# KiCad board helios-panel.kicad_pcb (continued)
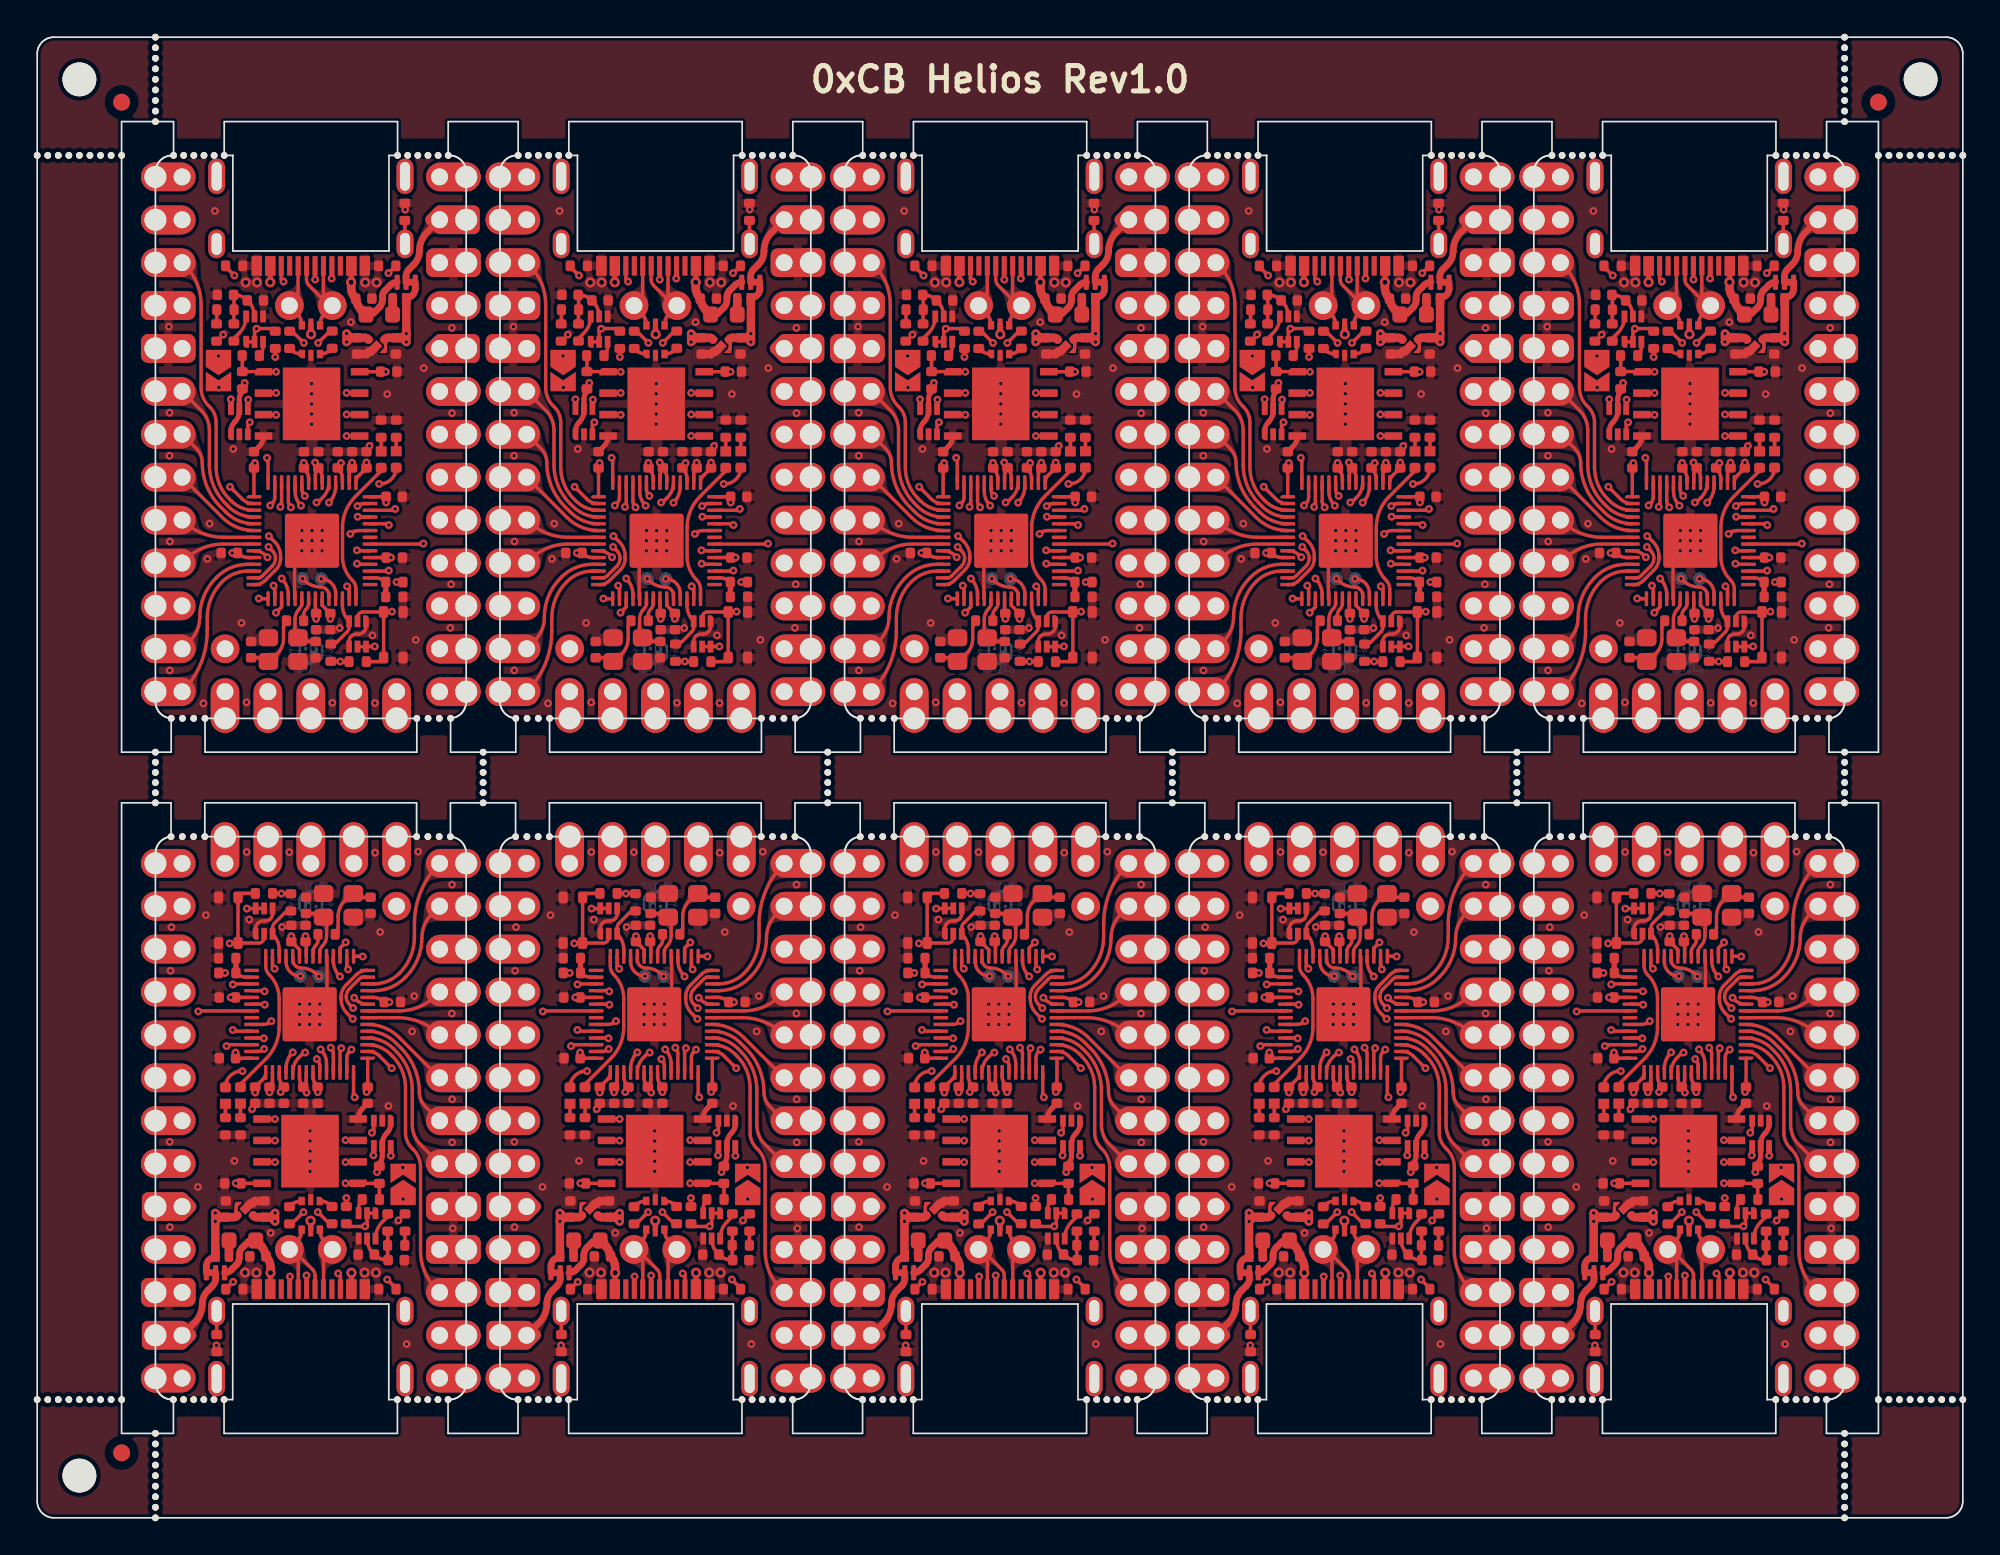
[diagram p0: board, top side]
## Copper pours and planes (outline as drawn; the poured copper is in the pictures) (continued)
Board_4-/2_SDA1 on Top: 91.83,64.85 91.75,65.14 91.66,65.39 91.57,65.59 91.49,65.77 91.41,65.93 91.32,66.09 91.24,66.25 91.16,66.44 91.08,66.65 91,66.91 89.88,66.99 89.9,65.89 90.15,65.81 90.39,65.75 90.61,65.71 90.81,65.66 90.99,65.6 91.16,65.52 91.31,65.41 91.44,65.26 91.55,65.06 91.64,64.8
Board_4-/3_SCL1 on Top: 91.47,62.57 91.44,62.8 91.4,63 91.35,63.16 91.3,63.3 91.24,63.43 91.19,63.56 91.14,63.7 91.09,63.84 91.05,64.02 91.03,64.23 89.88,64.45 89.9,63.35 90.1,63.29 90.29,63.25 90.48,63.22 90.65,63.19 90.81,63.16 90.95,63.1 91.07,63.03 91.16,62.91 91.23,62.76 91.27,62.55
Board_4-/4 on Top: 91.45,60.49 91.31,60.64 91.22,60.77 91.16,60.9 91.12,61.03 91.1,61.15 91.09,61.28 91.08,61.41 91.06,61.56 91.03,61.71 90.98,61.89 89.88,61.91 89.9,60.81 90.08,60.76 90.23,60.73 90.38,60.71 90.51,60.7 90.64,60.69 90.76,60.67 90.89,60.63 91.02,60.57 91.15,60.48 91.3,60.34
Board_4-/5 on Top: 91.65,58.3 91.48,58.36 91.36,58.44 91.26,58.53 91.2,58.63 91.15,58.74 91.12,58.87 91.09,59 91.06,59.14 91.01,59.29 90.94,59.44 89.85,59.33 90,58.24 90.19,58.21 90.36,58.19 90.51,58.19 90.64,58.2 90.77,58.2 90.9,58.21 91.04,58.21 91.2,58.2 91.38,58.16 91.59,58.11
Board_4-/6 on Top: 91.54,57.57 91.33,57.51 91.15,57.47 91,57.44 90.86,57.43 90.73,57.43 90.6,57.43 90.47,57.43 90.33,57.42 90.16,57.4 89.97,57.35 89.85,56.26 90.95,56.18 91.02,56.34 91.06,56.5 91.08,56.64 91.11,56.78 91.13,56.91 91.17,57.02 91.23,57.13 91.31,57.23 91.44,57.31 91.6,57.38
Board_4-/7 on In2.Cu: 91.82,54.36 91.64,54.31 91.48,54.29 91.35,54.31 91.23,54.35 91.12,54.4 91.01,54.47 90.9,54.55 90.78,54.63 90.65,54.71 90.49,54.78 89.76,53.96 90.61,53.26 90.77,53.36 90.9,53.46 91.01,53.56 91.1,53.66 91.19,53.75 91.29,53.84 91.39,53.93 91.52,54.01 91.68,54.09 91.88,54.17
Board_4-/8 on Top: 91.06,52.84 91,52.67 90.93,52.55 90.83,52.47 90.73,52.41 90.61,52.38 90.47,52.36 90.33,52.34 90.18,52.32 90.02,52.29 89.86,52.24 89.9,51.13 91,51.24 91.05,51.42 91.08,51.58 91.1,51.73 91.11,51.86 91.13,52.11 91.15,52.25 91.17,52.4 91.21,52.58 91.26,52.79
Board_4-/9 on Top: 91.07,50.33 90.98,50.17 90.88,50.05 90.78,49.96 90.67,49.91 90.55,49.87 90.43,49.84 90.29,49.82 90.15,49.79 90,49.75 89.83,49.69 89.91,48.59 91,48.7 91.04,48.89 91.06,49.05 91.07,49.2 91.07,49.33 91.06,49.46 91.07,49.59 91.08,49.73 91.11,49.88 91.17,50.05 91.25,50.25
Board_4-/10 on In2.Cu: 91.21,78.02 91.13,78.22 91.09,78.4 91.06,78.55 91.05,78.69 91.06,78.82 91.06,78.95 91.07,79.09 91.06,79.23 91.04,79.4 91.01,79.59 89.91,79.72 89.82,78.62 89.98,78.55 90.13,78.51 90.28,78.48 90.41,78.45 90.53,78.42 90.65,78.38 90.75,78.32 90.85,78.23 90.94,78.11 91.02,77.94
Board_4-/11 on In1.Cu: 104.59,77.94 104.67,78.11 104.75,78.23 104.85,78.32 104.96,78.38 105.07,78.42 105.19,78.45 105.33,78.48 105.47,78.51 105.62,78.56 105.78,78.62 105.69,79.72 104.59,79.59 104.56,79.4 104.54,79.23 104.54,79.08 104.54,78.95 104.55,78.82 104.55,78.69 104.54,78.55 104.52,78.4 104.47,78.22 104.4,78.02
Board_4-/12 on In1.Cu: 93.67,50.3 93.57,50.14 93.46,50.03 93.35,49.95 93.23,49.89 93.11,49.86 92.99,49.84 92.86,49.82 92.71,49.79 92.56,49.75 92.39,49.69 92.44,48.59 93.54,48.68 93.58,48.87 93.6,49.03 93.61,49.17 93.61,49.44 93.62,49.57 93.64,49.7 93.68,49.85 93.75,50.01 93.85,50.2
Board_4-/13 on In1.Cu: 95.16,50.6 95.15,50.4 95.12,50.24 95.07,50.1 95.01,49.99 94.93,49.88 94.85,49.79 94.76,49.69 94.67,49.57 94.58,49.44 94.5,49.28 95.26,48.48 96.03,49.28 95.94,49.44 95.85,49.57 95.76,49.69 95.67,49.79 95.59,49.88 95.51,49.99 95.45,50.1 95.4,50.24 95.37,50.4 95.36,50.6
Board_4-/14 on In1.Cu: 96.63,50.16 96.73,49.98 96.8,49.82 96.85,49.68 96.87,49.54 96.89,49.42 96.9,49.15 96.91,49.01 96.94,48.85 96.99,48.67 98.09,48.6 98.11,49.7 97.94,49.76 97.79,49.79 97.64,49.81 97.5,49.83 97.38,49.85 97.26,49.88 97.14,49.92 97.02,50 96.91,50.11 96.8,50.27
Board_4-/15 on In1.Cu: 99.07,50.03 99.21,49.88 99.3,49.75 99.36,49.62 99.4,49.49 99.42,49.37 99.43,49.24 99.44,49.11 99.46,48.96 99.49,48.81 99.54,48.63 100.64,48.61 100.62,49.71 100.44,49.76 100.29,49.79 100.14,49.81 100.01,49.82 99.88,49.83 99.76,49.85 99.63,49.89 99.5,49.95 99.37,50.04 99.22,50.18
Board_4-/16 on In1.Cu: 101.63,50.08 101.75,49.92 101.84,49.77 101.89,49.63 101.93,49.5 101.95,49.37 101.96,49.25 101.97,49.11 101.99,48.97 102.02,48.81 102.08,48.63 103.18,48.61 103.16,49.71 102.98,49.76 102.83,49.79 102.68,49.81 102.54,49.82 102.41,49.83 102.29,49.85 102.17,49.89 102.05,49.96 101.92,50.06 101.79,50.21
Board_4-/20_SDI on In1.Cu: 104.15,55.11 104.29,54.96 104.38,54.83 104.44,54.7 104.48,54.57 104.5,54.45 104.51,54.32 104.52,54.19 104.54,54.04 104.57,53.89 104.62,53.71 105.72,53.69 105.7,54.79 105.52,54.84 105.37,54.87 105.22,54.89 105.09,54.9 104.96,54.91 104.84,54.93 104.71,54.97 104.58,55.03 104.45,55.12 104.3,55.26
Board_4-/21_CS on In1.Cu: 104.15,50.03 104.29,49.88 104.38,49.75 104.44,49.62 104.48,49.49 104.5,49.37 104.51,49.24 104.52,49.11 104.54,48.96 104.57,48.81 104.62,48.63 105.72,48.61 105.7,49.71 105.52,49.76 105.37,49.79 105.22,49.81 105.09,49.82 104.96,49.83 104.84,49.85 104.71,49.89 104.58,49.95 104.45,50.04 104.3,50.18
Board_4-/22_SCK on In1.Cu: 103.91,57.19 104.08,57.15 104.21,57.09 104.31,57.01 104.38,56.92 104.43,56.81 104.47,56.69 104.51,56.56 104.55,56.43 104.6,56.28 104.67,56.13 105.76,56.28 105.55,57.37 105.36,57.39 105.19,57.4 105.05,57.4 104.91,57.39 104.65,57.36 104.51,57.35 104.35,57.35 104.17,57.36 103.95,57.39
Board_4-/23_SDO on In2.Cu: 104.4,52.82 104.46,52.61 104.5,52.44 104.52,52.28 104.52,52.14 104.53,52.01 104.52,51.88 104.53,51.75 104.53,51.6 104.55,51.44 104.59,51.25 105.69,51.12 105.78,52.22 105.61,52.28 105.46,52.33 105.32,52.35 105.18,52.38 105.05,52.41 104.94,52.44 104.83,52.5 104.74,52.59 104.66,52.72 104.59,52.88
Board_4-/A0 on In1.Cu: 103.77,58.67 103.99,58.66 104.18,58.63 104.33,58.59 104.47,58.54 104.59,58.48 104.71,58.41 104.83,58.35 104.98,58.3 105.14,58.25 105.34,58.22 105.82,59.22 104.81,59.66 104.7,59.54 104.61,59.42 104.46,59.2 104.38,59.11 104.3,59.03 104.2,58.97 104.09,58.92 103.94,58.89 103.77,58.88
Board_4-/A1 on In1.Cu: 104.3,60.34 104.45,60.48 104.58,60.57 104.71,60.63 104.84,60.67 104.96,60.69 105.09,60.7 105.22,60.71 105.37,60.73 105.52,60.76 105.7,60.81 105.72,61.91 104.62,61.89 104.57,61.71 104.54,61.56 104.52,61.41 104.51,61.28 104.5,61.15 104.48,61.03 104.44,60.9 104.38,60.77 104.29,60.64 104.15,60.49
Board_4-/A2 on In1.Cu: 104.3,62.88 104.45,63.02 104.58,63.11 104.71,63.17 104.84,63.21 104.96,63.23 105.09,63.24 105.22,63.25 105.37,63.27 105.52,63.3 105.7,63.35 105.72,64.45 104.62,64.43 104.57,64.25 104.54,64.1 104.52,63.95 104.51,63.82 104.5,63.69 104.48,63.57 104.44,63.44 104.38,63.31 104.29,63.18 104.15,63.03
Board_4-/A3 on In1.Cu: 104.3,65.42 104.45,65.56 104.58,65.65 104.71,65.71 104.84,65.75 104.96,65.77 105.09,65.78 105.22,65.79 105.37,65.81 105.52,65.84 105.7,65.89 105.72,66.99 104.62,66.97 104.57,66.79 104.54,66.64 104.52,66.49 104.51,66.36 104.5,66.23 104.48,66.11 104.44,65.98 104.38,65.85 104.29,65.72 104.15,65.57
Board_4-/PORT+ on Top: 97.37,70.6 97.36,70.69 97.34,70.78 97.32,70.86 97.29,70.94 97.25,71.01 97.22,71.06 97.14,71.18 96.27,72.1 96.96,71.04 97.04,70.95 97.07,70.91 97.1,70.86 97.12,70.8 97.15,70.74 97.16,70.67 97.17,70.6
Board_4-/PORT+ on Top: 96.94,73.31 96.93,73.15 96.9,73.03 96.85,72.93 96.79,72.85 96.71,72.79 96.61,72.74 96.51,72.69 96.39,72.64 96.27,72.59 96.14,72.53 96.27,71.43 97.38,71.77 97.37,71.96 97.36,72.12 97.33,72.26 97.3,72.38 97.23,72.63 97.2,72.76 97.17,72.91 97.15,73.09 97.14,73.31
Board_4-/PORT+ on In1.Cu: 97.74,72.96 97.6,72.83 97.46,72.74 97.34,72.68 97.22,72.65 97.1,72.64 96.97,72.64 96.84,72.64 96.7,72.64 96.54,72.63 96.36,72.6 96.19,71.51 97.29,71.38 97.37,71.56 97.42,71.72 97.45,71.86 97.5,72.12 97.53,72.25 97.57,72.38 97.64,72.52 97.74,72.66 97.88,72.82
Board_4-/PORT- on Top: 98.44,73.29 98.44,73.08 98.42,72.91 98.4,72.75 98.37,72.62 98.3,72.38 98.27,72.26 98.24,72.12 98.23,71.96 98.22,71.77 99.33,71.43 99.45,72.53 99.32,72.59 99.08,72.69 98.97,72.74 98.88,72.79 98.8,72.85 98.73,72.93 98.69,73.02 98.66,73.15 98.64,73.29
Board_4-/PORT- on Top: 97.71,72.8 97.85,72.65 97.95,72.5 98.02,72.37 98.07,72.24 98.1,72.11 98.15,71.84 98.18,71.7 98.24,71.54 98.32,71.37 99.41,71.52 99.22,72.61 99.05,72.63 98.89,72.64 98.75,72.63 98.62,72.63 98.49,72.63 98.37,72.64 98.25,72.67 98.13,72.73 98,72.82 97.85,72.94
Board_4-/PORT- on Top: 98.44,70.6 98.45,70.67 98.46,70.74 98.49,70.8 98.51,70.86 98.54,70.91 98.57,70.95 98.65,71.03 99.33,72.11 98.46,71.18 98.38,71.06 98.35,71 98.32,70.94 98.29,70.86 98.27,70.78 98.25,70.69 98.24,70.6
Board_4-/RAW on Top: 104.51,75.47 104.59,75.64 104.67,75.77 104.76,75.87 104.86,75.94 104.96,76 105.08,76.04 105.21,76.07 105.34,76.1 105.49,76.14 105.65,76.19 105.67,77.1 104.76,77.08 104.69,76.9 104.63,76.75 104.58,76.62 104.52,76.5 104.41,76.27 104.35,76.14 104.29,75.99 104.22,75.82 104.14,75.61
Board_4-/RESET on In2.Cu: 104.52,70.35 104.62,70.51 104.72,70.63 104.82,70.72 104.93,70.78 105.05,70.81 105.17,70.84 105.3,70.86 105.45,70.89 105.6,70.93 105.76,70.99 105.7,72.09 104.6,71.98 104.56,71.8 104.54,71.63 104.53,71.49 104.53,71.35 104.53,71.22 104.53,71.09 104.52,70.96 104.49,70.81 104.43,70.64 104.34,70.44
Board_4-/RGB_5V on In2.Cu: 92.98,53.14 92.89,52.95 92.79,52.79 92.7,52.67 92.61,52.56 92.51,52.47 92.42,52.39 92.32,52.29 92.22,52.19 92.11,52.06 92,51.9 92.68,51.03 93.52,51.74 93.46,51.9 93.38,52.04 93.3,52.16 93.23,52.27 93.16,52.38 93.11,52.49 93.08,52.61 93.08,52.74 93.1,52.89 93.17,53.06
Board_4-GND on Top: 103.39,69.38 103.39,68.38 100,68.38 100,69.38
Board_4-GND on Top, Bottom: 86.12,84.87 110.62,84.87 110.62,45.37 86.12,45.37
Board_4-Net-(C8-Pad2) on Top: 95.99,51.59 95.94,51.48 95.88,51.4 95.81,51.34 95.74,51.29 95.66,51.27 95.58,51.25 95.49,51.24 95.39,51.22 95.29,51.21 95.18,51.19 95.1,50.54 95.75,50.51 96.18,51.51
Board_4-Net-(J1-SHIELD) on Top: 103.27,76.41 103.26,76.3 103.25,76.2 103.23,76.12 103.19,76.05 103.16,75.99 103.11,75.93 103.07,75.87 103.02,75.8 102.97,75.73 102.92,75.63 103.38,75.17 103.82,75.64 103.77,75.73 103.72,75.81 103.67,75.88 103.63,75.93 103.58,75.99 103.55,76.05 103.52,76.12 103.49,76.2 103.48,76.3 103.47,76.41
Board_4-Net-(U4-XTAL_IN) on Top: 96.77,53.07 96.76,52.94 96.75,52.83 96.72,52.74 96.7,52.66 96.67,52.59 96.64,52.52 96.61,52.44 96.58,52.36 96.56,52.26 96.54,52.15 97.13,51.87 97.39,52.46 97.32,52.52 97.25,52.58 97.19,52.62 97.14,52.67 97.09,52.71 97.05,52.76 97.01,52.82 96.99,52.89 96.97,52.97 96.97,53.07
Board_5-+3V3 on In1.Cu, In2.Cu: 28.88,3.79 4.38,3.79 4.38,43.29 28.88,43.29
Board_5-/0_TX0 on In1.Cu: 23.02,12.37 23.12,12.2 23.18,12.05 23.2,11.91 23.2,11.78 23.18,11.66 23.14,11.53 23.1,11.4 23.05,11.26 23.01,11.1 22.98,10.92 23.95,10.41 24.43,11.4 24.28,11.54 24.15,11.65 24.02,11.74 23.9,11.81 23.79,11.88 23.67,11.96 23.56,12.04 23.44,12.16 23.32,12.3 23.19,12.48
Board_5-/1_RX0 on Top: 22.78,14.71 22.85,14.51 22.89,14.33 22.91,14.18 22.92,14.04 22.92,13.91 22.92,13.78 22.92,13.64 22.93,13.5 22.95,13.34 22.99,13.15 24.09,13.02 24.17,14.12 24.01,14.19 23.86,14.23 23.71,14.25 23.58,14.28 23.45,14.3 23.33,14.34 23.22,14.4 23.13,14.49 23.04,14.61 22.97,14.78
Board_5-/2_SDA1 on Top: 22.17,22.81 22.25,22.52 22.34,22.27 22.43,22.07 22.51,21.89 22.59,21.73 22.68,21.57 22.76,21.41 22.84,21.22 22.92,21.01 23,20.75 24.12,20.67 24.1,21.77 23.85,21.85 23.61,21.91 23.39,21.95 23.19,22 23.01,22.06 22.84,22.14 22.69,22.25 22.56,22.4 22.45,22.6 22.36,22.86
Board_5-/3_SCL1 on Top: 22.53,25.09 22.56,24.86 22.6,24.66 22.65,24.5 22.7,24.36 22.76,24.23 22.81,24.1 22.86,23.96 22.91,23.82 22.95,23.64 22.97,23.43 24.12,23.21 24.1,24.31 23.9,24.37 23.71,24.41 23.52,24.44 23.35,24.47 23.19,24.5 23.05,24.56 22.93,24.63 22.84,24.75 22.77,24.9 22.73,25.11
Board_5-/4 on Top: 22.55,27.17 22.69,27.02 22.78,26.89 22.84,26.76 22.88,26.63 22.9,26.51 22.91,26.38 22.92,26.25 22.94,26.1 22.97,25.95 23.02,25.77 24.12,25.75 24.1,26.85 23.92,26.9 23.77,26.93 23.62,26.95 23.49,26.96 23.36,26.97 23.24,26.99 23.11,27.03 22.98,27.09 22.85,27.18 22.7,27.32
Board_5-/5 on Top: 22.35,29.36 22.52,29.3 22.64,29.22 22.74,29.13 22.8,29.03 22.85,28.92 22.88,28.79 22.91,28.66 22.94,28.52 22.99,28.37 23.06,28.22 24.15,28.33 24,29.42 23.81,29.45 23.64,29.47 23.49,29.47 23.36,29.46 23.23,29.46 23.1,29.45 22.96,29.45 22.8,29.46 22.62,29.5 22.41,29.55
Board_5-/6 on Top: 22.46,30.09 22.67,30.15 22.85,30.19 23,30.22 23.14,30.23 23.27,30.23 23.4,30.23 23.53,30.23 23.67,30.24 23.84,30.26 24.03,30.31 24.15,31.4 23.05,31.48 22.98,31.32 22.94,31.16 22.92,31.02 22.89,30.88 22.87,30.75 22.83,30.64 22.77,30.53 22.69,30.43 22.56,30.35 22.4,30.28
Board_5-/7 on In2.Cu: 22.18,33.3 22.36,33.35 22.52,33.37 22.65,33.35 22.77,33.31 22.88,33.26 22.99,33.19 23.1,33.11 23.22,33.03 23.35,32.95 23.51,32.88 24.24,33.7 23.39,34.4 23.23,34.3 23.1,34.2 22.99,34.1 22.9,34 22.81,33.91 22.71,33.82 22.61,33.73 22.48,33.65 22.32,33.57 22.12,33.49
Board_5-/8 on Top: 22.94,34.82 23,34.99 23.07,35.11 23.17,35.19 23.27,35.25 23.39,35.28 23.53,35.3 23.67,35.32 23.82,35.34 23.98,35.37 24.14,35.42 24.1,36.53 23,36.42 22.95,36.24 22.92,36.08 22.9,35.93 22.89,35.8 22.87,35.55 22.85,35.41 22.83,35.26 22.79,35.08 22.74,34.87
Board_5-/9 on Top: 22.93,37.33 23.02,37.49 23.12,37.61 23.22,37.7 23.33,37.75 23.45,37.79 23.57,37.82 23.71,37.84 23.85,37.87 24,37.91 24.17,37.97 24.09,39.07 23,38.96 22.96,38.77 22.94,38.61 22.93,38.46 22.93,38.33 22.94,38.2 22.93,38.07 22.92,37.93 22.89,37.78 22.83,37.61 22.75,37.41
Board_5-/10 on In2.Cu: 22.79,9.64 22.87,9.44 22.91,9.26 22.94,9.11 22.95,8.97 22.94,8.84 22.94,8.71 22.93,8.57 22.94,8.43 22.96,8.26 22.99,8.07 24.09,7.94 24.18,9.04 24.02,9.11 23.87,9.15 23.72,9.18 23.59,9.21 23.47,9.24 23.35,9.28 23.25,9.34 23.15,9.43 23.06,9.55 22.98,9.72
Board_5-/11 on In1.Cu: 9.41,9.72 9.33,9.55 9.25,9.43 9.15,9.34 9.04,9.28 8.93,9.24 8.81,9.21 8.67,9.18 8.53,9.15 8.38,9.1 8.22,9.04 8.31,7.94 9.41,8.07 9.44,8.26 9.46,8.43 9.46,8.58 9.46,8.71 9.45,8.84 9.45,8.97 9.46,9.11 9.48,9.26 9.53,9.44 9.6,9.64
Board_5-/12 on In1.Cu: 20.33,37.36 20.43,37.52 20.54,37.63 20.65,37.71 20.77,37.77 20.89,37.8 21.01,37.82 21.14,37.84 21.29,37.87 21.44,37.91 21.61,37.97 21.56,39.07 20.46,38.98 20.42,38.79 20.4,38.63 20.39,38.49 20.39,38.22 20.38,38.09 20.36,37.96 20.32,37.81 20.25,37.65 20.15,37.46
Board_5-/13 on In1.Cu: 18.84,37.06 18.85,37.26 18.88,37.42 18.93,37.56 18.99,37.67 19.07,37.78 19.15,37.87 19.24,37.97 19.33,38.09 19.42,38.22 19.51,38.38 18.74,39.17 17.98,38.38 18.06,38.22 18.15,38.09 18.24,37.97 18.33,37.87 18.41,37.78 18.49,37.67 18.55,37.56 18.6,37.42 18.63,37.26 18.64,37.06
Board_5-/14 on In1.Cu: 17.37,37.5 17.27,37.68 17.2,37.84 17.15,37.98 17.13,38.12 17.11,38.24 17.1,38.51 17.09,38.65 17.06,38.81 17.01,38.99 15.91,39.06 15.89,37.96 16.06,37.9 16.21,37.87 16.36,37.85 16.5,37.83 16.62,37.81 16.74,37.78 16.86,37.74 16.98,37.66 17.09,37.55 17.2,37.39
Board_5-/15 on In1.Cu: 14.93,37.63 14.79,37.78 14.7,37.91 14.64,38.04 14.6,38.17 14.58,38.29 14.57,38.42 14.56,38.55 14.54,38.7 14.51,38.85 14.46,39.03 13.36,39.05 13.38,37.95 13.56,37.9 13.71,37.87 13.86,37.85 13.99,37.84 14.12,37.83 14.24,37.81 14.37,37.77 14.5,37.71 14.63,37.62 14.78,37.48
Board_5-/16 on In1.Cu: 12.37,37.58 12.25,37.74 12.16,37.89 12.11,38.03 12.07,38.16 12.05,38.29 12.04,38.41 12.03,38.55 12.01,38.69 11.98,38.85 11.92,39.03 10.82,39.05 10.84,37.95 11.02,37.9 11.17,37.87 11.32,37.85 11.46,37.84 11.59,37.83 11.71,37.81 11.83,37.77 11.95,37.7 12.08,37.6 12.21,37.45
Board_5-/20_SDI on In1.Cu: 9.85,32.55 9.71,32.7 9.62,32.83 9.56,32.96 9.52,33.09 9.5,33.21 9.49,33.34 9.48,33.47 9.46,33.62 9.43,33.77 9.38,33.95 8.28,33.97 8.3,32.87 8.48,32.82 8.63,32.79 8.78,32.77 8.91,32.76 9.04,32.75 9.16,32.73 9.29,32.69 9.42,32.63 9.55,32.54 9.7,32.4
Board_5-/21_CS on In1.Cu: 9.85,37.63 9.71,37.78 9.62,37.91 9.56,38.04 9.52,38.17 9.5,38.29 9.49,38.42 9.48,38.55 9.46,38.7 9.43,38.85 9.38,39.03 8.28,39.05 8.3,37.95 8.48,37.9 8.63,37.87 8.78,37.85 8.91,37.84 9.04,37.83 9.16,37.81 9.29,37.77 9.42,37.71 9.55,37.62 9.7,37.48
Board_5-/22_SCK on In1.Cu: 10.09,30.47 9.92,30.51 9.79,30.57 9.69,30.65 9.62,30.74 9.57,30.85 9.53,30.97 9.49,31.1 9.45,31.23 9.4,31.38 9.33,31.53 8.24,31.38 8.45,30.29 8.64,30.27 8.81,30.26 8.95,30.26 9.09,30.27 9.35,30.3 9.49,30.31 9.65,30.31 9.83,30.3 10.05,30.27
Board_5-/23_SDO on In2.Cu: 9.6,34.84 9.54,35.05 9.5,35.22 9.48,35.38 9.48,35.52 9.47,35.65 9.48,35.78 9.47,35.91 9.47,36.06 9.45,36.22 9.41,36.41 8.31,36.54 8.22,35.44 8.39,35.38 8.54,35.33 8.68,35.31 8.82,35.28 8.95,35.25 9.06,35.22 9.17,35.16 9.26,35.07 9.34,34.94 9.41,34.78
Board_5-/A0 on In1.Cu: 10.23,28.98 10.01,29 9.82,29.03 9.67,29.07 9.53,29.12 9.41,29.18 9.29,29.25 9.17,29.31 9.02,29.36 8.86,29.41 8.66,29.44 8.18,28.44 9.19,28 9.3,28.12 9.39,28.24 9.54,28.46 9.62,28.55 9.7,28.63 9.8,28.69 9.91,28.74 10.06,28.77 10.23,28.78
Board_5-/A1 on In1.Cu: 9.7,27.32 9.55,27.18 9.42,27.09 9.29,27.03 9.16,26.99 9.04,26.97 8.91,26.96 8.78,26.95 8.63,26.93 8.48,26.9 8.3,26.85 8.28,25.75 9.38,25.77 9.43,25.95 9.46,26.1 9.48,26.25 9.49,26.38 9.5,26.51 9.52,26.63 9.56,26.76 9.62,26.89 9.71,27.02 9.85,27.17
Board_5-/A2 on In1.Cu: 9.7,24.78 9.55,24.64 9.42,24.55 9.29,24.49 9.16,24.45 9.04,24.43 8.91,24.42 8.78,24.41 8.63,24.39 8.48,24.36 8.3,24.31 8.28,23.21 9.38,23.23 9.43,23.41 9.46,23.56 9.48,23.71 9.49,23.84 9.5,23.97 9.52,24.09 9.56,24.22 9.62,24.35 9.71,24.48 9.85,24.63
Board_5-/A3 on In1.Cu: 9.7,22.24 9.55,22.1 9.42,22.01 9.29,21.95 9.16,21.91 9.04,21.89 8.91,21.88 8.78,21.87 8.63,21.85 8.48,21.82 8.3,21.77 8.28,20.67 9.38,20.69 9.43,20.87 9.46,21.02 9.48,21.17 9.49,21.3 9.5,21.43 9.52,21.55 9.56,21.68 9.62,21.81 9.71,21.94 9.85,22.09
Board_5-/PORT+ on Top: 16.63,17.06 16.64,16.97 16.66,16.88 16.68,16.8 16.71,16.72 16.75,16.65 16.78,16.6 16.86,16.48 17.73,15.56 17.04,16.62 16.96,16.71 16.93,16.75 16.9,16.8 16.88,16.86 16.85,16.92 16.84,16.99 16.83,17.06
Board_5-/PORT+ on Top: 17.05,14.35 17.07,14.51 17.1,14.63 17.15,14.73 17.21,14.81 17.29,14.87 17.39,14.92 17.49,14.97 17.61,15.02 17.73,15.07 17.86,15.13 17.73,16.23 16.62,15.89 16.63,15.7 16.64,15.54 16.67,15.4 16.7,15.28 16.77,15.03 16.8,14.9 16.83,14.75 16.85,14.57 16.85,14.35
Board_5-/PORT+ on In1.Cu: 16.26,14.7 16.4,14.83 16.54,14.92 16.66,14.98 16.78,15.01 16.9,15.02 17.03,15.02 17.16,15.02 17.3,15.02 17.46,15.03 17.64,15.06 17.81,16.15 16.71,16.28 16.63,16.1 16.58,15.94 16.55,15.8 16.5,15.54 16.47,15.41 16.43,15.28 16.36,15.14 16.26,15 16.12,14.84
Board_5-/PORT- on Top: 15.55,14.36 15.56,14.58 15.58,14.75 15.6,14.91 15.63,15.04 15.7,15.28 15.73,15.4 15.76,15.54 15.77,15.7 15.78,15.89 14.67,16.23 14.55,15.13 14.68,15.07 14.92,14.97 15.03,14.92 15.12,14.87 15.2,14.81 15.27,14.73 15.31,14.64 15.34,14.51 15.35,14.36
Board_5-/PORT- on Top: 16.29,14.86 16.15,15.01 16.05,15.16 15.98,15.29 15.93,15.42 15.9,15.55 15.85,15.82 15.82,15.96 15.76,16.12 15.68,16.29 14.59,16.14 14.78,15.05 14.95,15.03 15.11,15.02 15.25,15.03 15.38,15.03 15.51,15.03 15.63,15.02 15.75,14.99 15.87,14.93 16,14.84 16.15,14.72
Board_5-/PORT- on Top: 15.56,17.06 15.55,16.99 15.54,16.92 15.51,16.86 15.49,16.8 15.46,16.75 15.43,16.71 15.35,16.63 14.67,15.55 15.54,16.48 15.62,16.6 15.65,16.66 15.68,16.72 15.71,16.8 15.73,16.88 15.75,16.97 15.76,17.06
Board_5-/RAW on Top: 9.49,12.19 9.41,12.02 9.33,11.89 9.24,11.79 9.14,11.72 9.04,11.66 8.92,11.62 8.79,11.59 8.66,11.56 8.51,11.52 8.35,11.47 8.33,10.56 9.24,10.58 9.31,10.76 9.37,10.91 9.42,11.04 9.48,11.16 9.59,11.39 9.65,11.52 9.71,11.67 9.78,11.84 9.86,12.05
Board_5-/RESET on In2.Cu: 9.48,17.31 9.38,17.15 9.28,17.03 9.18,16.94 9.07,16.88 8.95,16.85 8.83,16.82 8.7,16.8 8.55,16.77 8.4,16.73 8.24,16.67 8.3,15.57 9.4,15.68 9.44,15.86 9.46,16.03 9.47,16.17 9.47,16.31 9.47,16.44 9.47,16.57 9.48,16.7 9.51,16.85 9.57,17.02 9.66,17.22
Board_5-/RGB_5V on In2.Cu: 21.02,34.52 21.11,34.71 21.21,34.87 21.3,34.99 21.39,35.1 21.49,35.19 21.58,35.27 21.68,35.37 21.78,35.47 21.89,35.6 22,35.76 21.32,36.63 20.48,35.92 20.54,35.76 20.62,35.62 20.7,35.5 20.77,35.39 20.84,35.28 20.89,35.17 20.92,35.05 20.92,34.92 20.9,34.77 20.83,34.6
Board_5-GND on Top: 10.61,18.28 10.61,19.28 14,19.28 14,18.28
Board_5-GND on Top, Bottom: 27.88,2.79 3.38,2.79 3.38,42.29 27.88,42.29
Board_5-Net-(C8-Pad2) on Top: 18.01,36.07 18.06,36.18 18.12,36.26 18.19,36.32 18.26,36.37 18.34,36.39 18.42,36.41 18.51,36.42 18.61,36.44 18.71,36.45 18.82,36.47 18.9,37.12 18.25,37.15 17.82,36.15
Board_5-Net-(J1-SHIELD) on Top: 10.73,11.25 10.74,11.36 10.75,11.46 10.77,11.54 10.81,11.61 10.84,11.67 10.89,11.73 10.93,11.79 10.98,11.86 11.03,11.93 11.08,12.03 10.62,12.49 10.18,12.02 10.23,11.93 10.28,11.85 10.33,11.78 10.37,11.73 10.42,11.67 10.45,11.61 10.48,11.54 10.51,11.46 10.52,11.36 10.53,11.25
Board_5-Net-(U4-XTAL_IN) on Top: 17.23,34.59 17.24,34.72 17.25,34.83 17.28,34.92 17.3,35 17.33,35.07 17.36,35.14 17.39,35.22 17.42,35.3 17.44,35.4 17.46,35.51 16.87,35.79 16.61,35.2 16.68,35.14 16.75,35.08 16.81,35.04 16.86,34.99 16.91,34.95 16.95,34.9 16.99,34.84 17.01,34.77 17.03,34.69 17.03,34.59
Board_6-+3V3 on In1.Cu, In2.Cu: 49.28,3.79 24.77,3.79 24.77,43.29 49.28,43.29
Board_6-/0_TX0 on In1.Cu: 43.42,12.37 43.52,12.2 43.58,12.05 43.6,11.91 43.6,11.78 43.58,11.66 43.54,11.53 43.5,11.4 43.45,11.26 43.41,11.1 43.38,10.92 44.35,10.41 44.83,11.4 44.68,11.54 44.55,11.65 44.42,11.74 44.3,11.81 44.19,11.88 44.07,11.96 43.96,12.04 43.84,12.16 43.72,12.3 43.59,12.48
Board_6-/1_RX0 on Top: 43.18,14.71 43.25,14.51 43.29,14.33 43.31,14.18 43.32,14.04 43.32,13.91 43.32,13.78 43.32,13.64 43.33,13.5 43.35,13.34 43.39,13.15 44.49,13.02 44.57,14.12 44.41,14.19 44.26,14.23 44.11,14.25 43.98,14.28 43.85,14.3 43.73,14.34 43.62,14.4 43.53,14.49 43.44,14.61 43.37,14.78
Board_6-/2_SDA1 on Top: 42.57,22.81 42.65,22.52 42.74,22.27 42.83,22.07 42.91,21.89 42.99,21.73 43.08,21.57 43.16,21.41 43.24,21.22 43.32,21.01 43.4,20.75 44.52,20.67 44.5,21.77 44.25,21.85 44.01,21.91 43.79,21.95 43.59,22 43.41,22.06 43.24,22.14 43.09,22.25 42.96,22.4 42.85,22.6 42.76,22.86
Board_6-/3_SCL1 on Top: 42.93,25.09 42.96,24.86 43,24.66 43.05,24.5 43.1,24.36 43.16,24.23 43.21,24.1 43.26,23.96 43.31,23.82 43.35,23.64 43.37,23.43 44.52,23.21 44.5,24.31 44.3,24.37 44.11,24.41 43.92,24.44 43.75,24.47 43.59,24.5 43.45,24.56 43.33,24.63 43.24,24.75 43.17,24.9 43.13,25.11
Board_6-/4 on Top: 42.95,27.17 43.09,27.02 43.18,26.89 43.24,26.76 43.28,26.63 43.3,26.51 43.31,26.38 43.32,26.25 43.34,26.1 43.37,25.95 43.42,25.77 44.52,25.75 44.5,26.85 44.32,26.9 44.17,26.93 44.02,26.95 43.89,26.96 43.76,26.97 43.64,26.99 43.51,27.03 43.38,27.09 43.25,27.18 43.1,27.32
Board_6-/5 on Top: 42.75,29.36 42.92,29.3 43.04,29.22 43.14,29.13 43.2,29.03 43.25,28.92 43.28,28.79 43.31,28.66 43.34,28.52 43.39,28.37 43.46,28.22 44.55,28.33 44.4,29.42 44.21,29.45 44.04,29.47 43.89,29.47 43.76,29.46 43.63,29.46 43.5,29.45 43.36,29.45 43.2,29.46 43.02,29.5 42.81,29.55
Board_6-/6 on Top: 42.86,30.09 43.07,30.15 43.25,30.19 43.4,30.22 43.54,30.23 43.67,30.23 43.8,30.23 43.93,30.23 44.07,30.24 44.24,30.26 44.43,30.31 44.55,31.4 43.45,31.48 43.38,31.32 43.34,31.16 43.32,31.02 43.29,30.88 43.27,30.75 43.23,30.64 43.17,30.53 43.09,30.43 42.96,30.35 42.8,30.28
Board_6-/7 on In2.Cu: 42.58,33.3 42.76,33.35 42.92,33.37 43.05,33.35 43.17,33.31 43.28,33.26 43.39,33.19 43.5,33.11 43.62,33.03 43.75,32.95 43.91,32.88 44.64,33.7 43.79,34.4 43.63,34.3 43.5,34.2 43.39,34.1 43.3,34 43.21,33.91 43.11,33.82 43.01,33.73 42.88,33.65 42.72,33.57 42.52,33.49
Board_6-/8 on Top: 43.34,34.82 43.4,34.99 43.47,35.11 43.57,35.19 43.67,35.25 43.79,35.28 43.93,35.3 44.07,35.32 44.22,35.34 44.38,35.37 44.54,35.42 44.5,36.53 43.4,36.42 43.35,36.24 43.32,36.08 43.3,35.93 43.29,35.8 43.27,35.55 43.25,35.41 43.23,35.26 43.19,35.08 43.14,34.87
Board_6-/9 on Top: 43.33,37.33 43.42,37.49 43.52,37.61 43.62,37.7 43.73,37.75 43.85,37.79 43.97,37.82 44.11,37.84 44.25,37.87 44.4,37.91 44.57,37.97 44.49,39.07 43.4,38.96 43.36,38.77 43.34,38.61 43.33,38.46 43.33,38.33 43.34,38.2 43.33,38.07 43.32,37.93 43.29,37.78 43.23,37.61 43.15,37.41
Board_6-/10 on In2.Cu: 43.19,9.64 43.27,9.44 43.31,9.26 43.34,9.11 43.35,8.97 43.34,8.84 43.34,8.71 43.33,8.57 43.34,8.43 43.36,8.26 43.39,8.07 44.49,7.94 44.58,9.04 44.42,9.11 44.27,9.15 44.12,9.18 43.99,9.21 43.87,9.24 43.75,9.28 43.65,9.34 43.55,9.43 43.46,9.55 43.38,9.72
Board_6-/11 on In1.Cu: 29.81,9.72 29.73,9.55 29.65,9.43 29.55,9.34 29.44,9.28 29.33,9.24 29.21,9.21 29.07,9.18 28.93,9.15 28.78,9.1 28.62,9.04 28.71,7.94 29.81,8.07 29.84,8.26 29.86,8.43 29.86,8.58 29.86,8.71 29.85,8.84 29.85,8.97 29.86,9.11 29.88,9.26 29.93,9.44 30,9.64
Board_6-/12 on In1.Cu: 40.73,37.36 40.83,37.52 40.94,37.63 41.05,37.71 41.17,37.77 41.29,37.8 41.41,37.82 41.54,37.84 41.69,37.87 41.84,37.91 42.01,37.97 41.96,39.07 40.86,38.98 40.82,38.79 40.8,38.63 40.79,38.49 40.79,38.22 40.78,38.09 40.76,37.96 40.72,37.81 40.65,37.65 40.55,37.46
Board_6-/13 on In1.Cu: 39.24,37.06 39.25,37.26 39.28,37.42 39.33,37.56 39.39,37.67 39.47,37.78 39.55,37.87 39.64,37.97 39.73,38.09 39.82,38.22 39.91,38.38 39.14,39.17 38.38,38.38 38.46,38.22 38.55,38.09 38.64,37.97 38.73,37.87 38.81,37.78 38.89,37.67 38.95,37.56 39,37.42 39.03,37.26 39.04,37.06